# Altium PCB 控制盒基板.PcbDoc (part 6 of 8)
Units mil, origin at the board's own origin, x right, y up, seen from the top; angles counter-clockwise.
Board outline 12046.02 x 6189.14 mil, 4 copper layers (Top Layer, SGND, POWER, Bottom Layer); 368 components, 219 nets, 1110 pads, 351 vias.
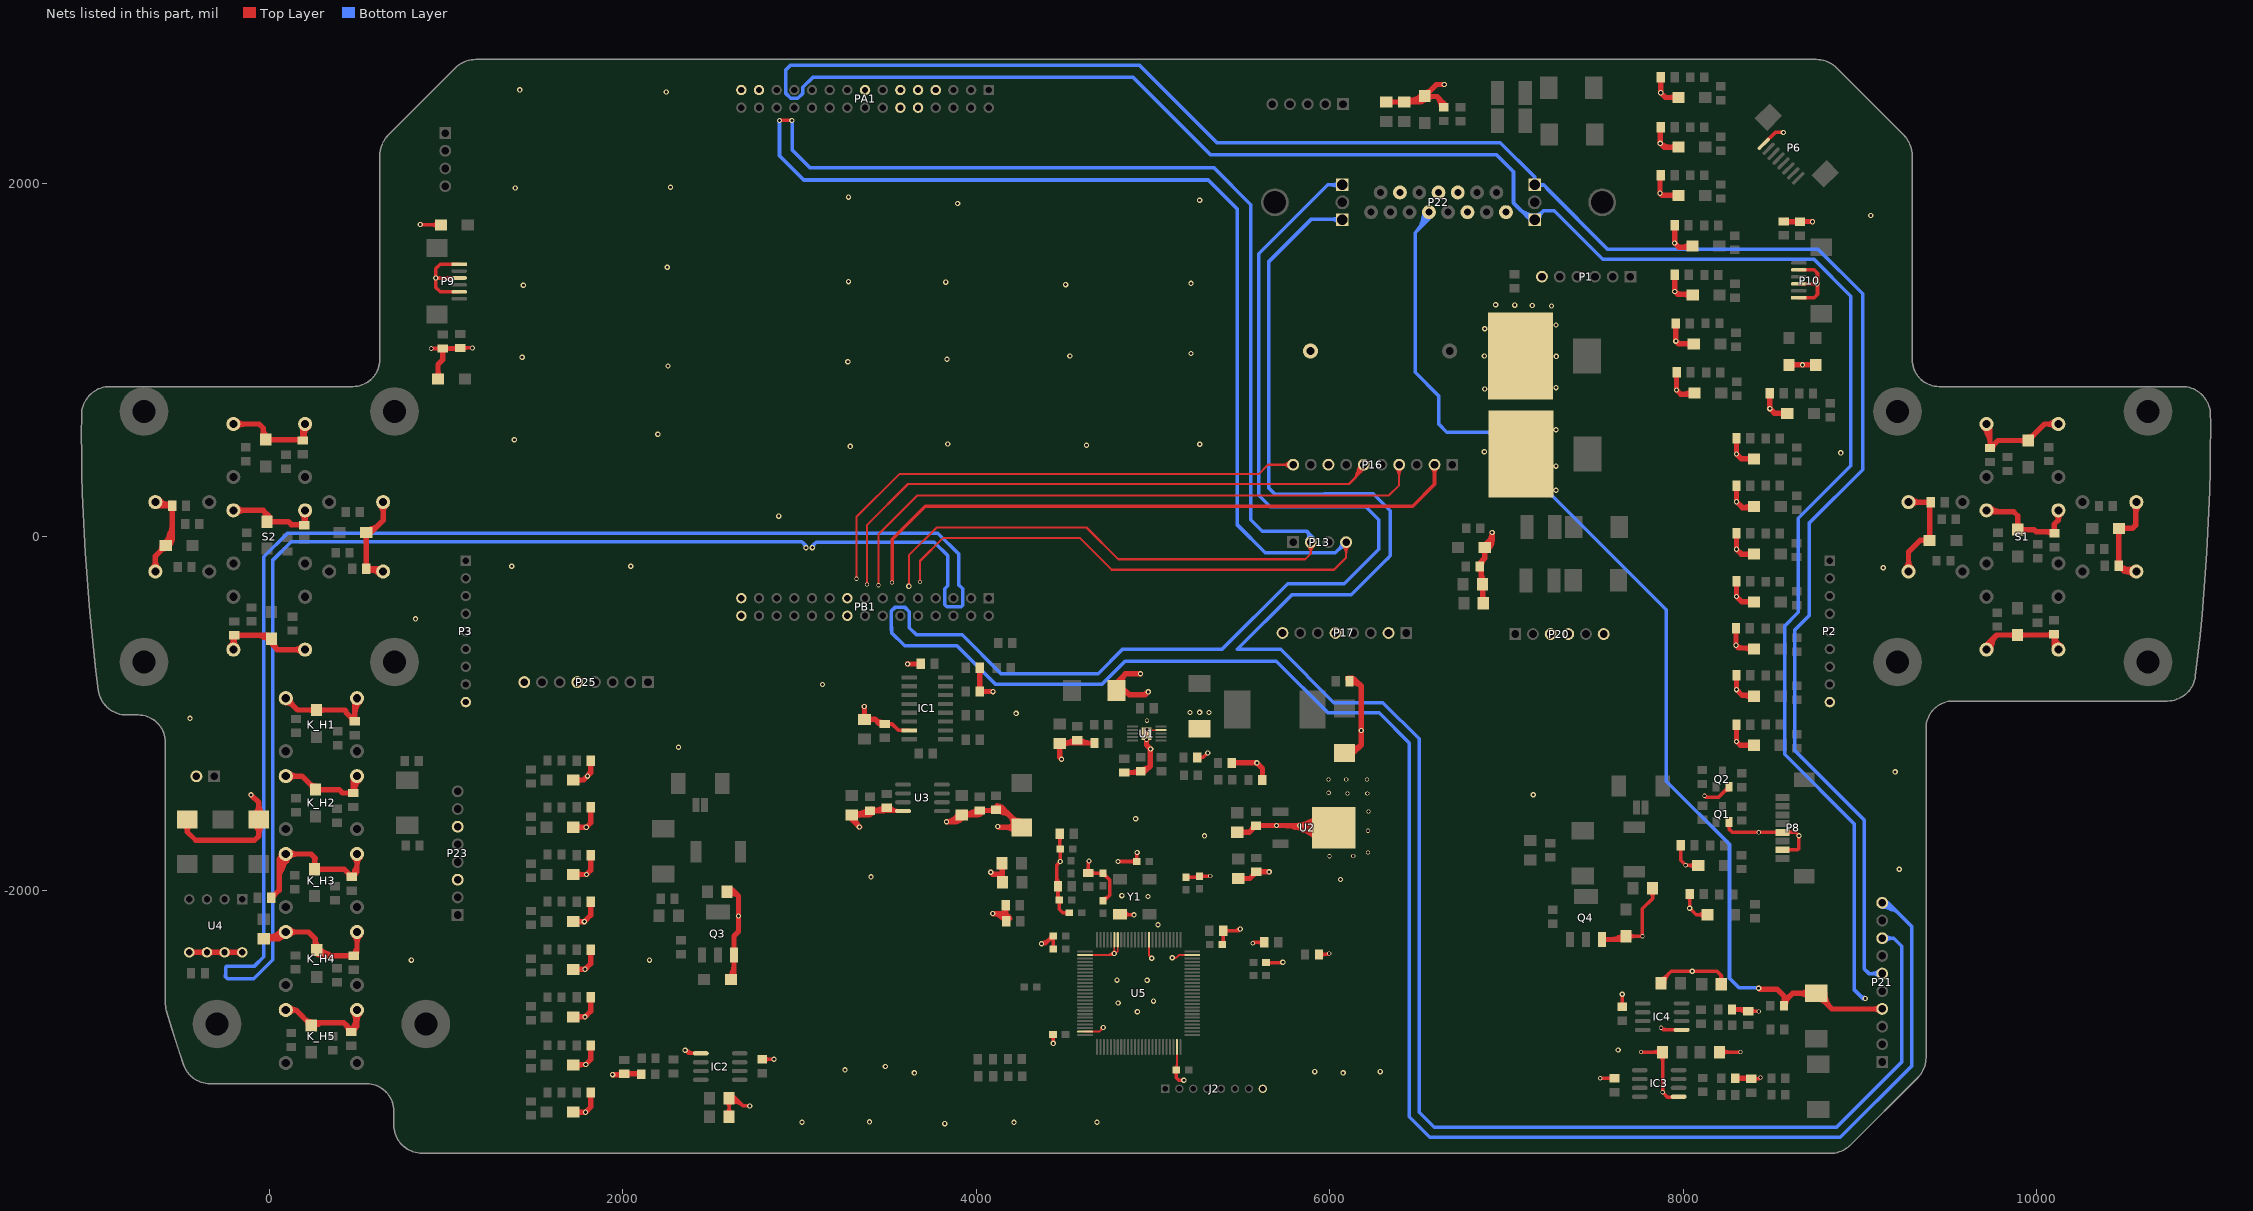
[diagram p8: the nets of this part, all layers, seen from the top]

## Via types
v1: diameter 30, hole 16, Top Layer to Bottom Layer, tented both sides, 209 vias
v2: diameter 24, hole 16, Top Layer to Bottom Layer, tented both sides, 75 vias
v3: diameter 30, hole 18, Top Layer to Bottom Layer, tented both sides, 57 vias
v4: diameter 28, hole 18, Top Layer to Bottom Layer, tented both sides, 10 vias

## Nets (pads, with @x,y where several pads share a name; then routed paths per layer and width w, separated by ;. In a path a pad name is that pad's centre, name@x,y a point inside that pad or via, vN(x,y) a via of type N, cw(c..) or ccw(c..) an arc to the next point about the centre after c; other vN are vias at no path point) (continued)
RS485-B4: D64.1 P21.4 P22.12 R120.1 | length 7792.9
  Top Layer w30: v1(8427,-2554) 8432,-2559 8531,-2559 8570.37,-2598.37 R120.1@8570.37,-2630.63 ; R120.1@8566.06,-2641.6 ccw(c8541.43,-2598.95) 8589.01,-2611.69 ; R120.1@8570.37,-2653 R120.1@8570.37,-2630.63 ; D64.1@8765.37,-2587.02 cw(c8738.35,-2662.97) 8816.39,-2642.75 ; D64.1@8800.99,-2583.33 ccw(c8913.91,-2584.26) 8834.06,-2664.11 ; D64.1@8800.99,-2583.05 ccw(c8916.86,-2583.05) 8834.93,-2664.97 ; P21.4@9126,-2671 8840.95,-2671 D64.1@8753,-2583.05 8617.95,-2583.05 R120.1@8570.37,-2630.63 ; 8656.62,-2583.05 ccw(c8656.62,-2500.45) 8715.03,-2558.85 cw(c8656.62,-2500.45) 8656.62,-2583.05 ; 8656.62,-2583.05 cw(c8656.62,-2665.64) 8715.03,-2607.24 ccw(c8656.62,-2665.64) 8656.62,-2583.05 ; 9081.42,-2671 ccw(c9081.42,-2626.42) 9112.94,-2657.94 cw(c9081.42,-2626.42) 9081.42,-2671 ; 9081.42,-2671 cw(c9081.42,-2715.58) 9112.94,-2684.06 ccw(c9081.42,-2715.58) 9081.42,-2671 ; R120.1@8578.99,-2649.06 cw(c8644.31,-2649.06) 8598.12,-2602.88 ccw(c8644.31,-2649.06) R120.1@8578.99,-2649.06 ; D64.1@8766.78,-2617.26 cw(c8766.78,-2666.59) 8801.66,-2631.71 ccw(c8766.78,-2666.59) D64.1@8766.78,-2617.26
  Bottom Layer w20: 6484,1721 ccw(c6368.7,1836.31) P22.12@6531.76,1836.69 ; 6503.31,1740.31 ccw(c6429.82,1813.81) P22.12@6532.2,1831.7 ; 6518.03,1755.03 ccw(c6436.6,1836.47) P22.12@6551.76,1836.73 ; 6529.08,1796.61 cw(c6600,1790.3) P22.12@6554.31,1844.91 ; 6530.53,1767.53 ccw(c6476.16,1821.9) P22.12@6551.9,1835.14 ; P22.12@6538.61,1817.91 cw(c6507.92,1792.24) 6547.77,1788.7 ; 6548.18,1793.3 cw(c6601.39,1788.57) P22.12@6567.14,1829.56 ; 6552.07,1789.06 ccw(c6504.51,1836.62) P22.12@6571.76,1836.78 ; 6557.75,1794.75 ccw(c6522.49,1830) P22.12@6571.61,1838.59 ; P22.12@6561.13,1836.76 6561.13,1798.13 6484,1721 6484,931 6616,799 6616,639 6663,592 6900,592 7905,-413 7905,-1383 8262,-1740 8262,-2497 8316,-2551 8424,-2551 v1(8427,-2554) ; 8407.69,-2551 cw(c8407.69,-2573.31) 8423.46,-2557.54 ccw(c8407.69,-2573.31) 8407.69,-2551
SGND: C1.1 C2.1 C3.1 C5.2 C6.1 C7.1 C8.2 C9.2 C10.1 C11.2 C12.1 C13.1 C14.1 C15.2 C16.1 C17.1 C18.1 C19.1 C20.2 C21.1 C22.1 C23.1 C24.1 C25.1 C26.1 C27.2 C28.2 C29.2 C30.2 C31.2 C32.2 C33.2 C34.2 C35.2 C36.2 C37.2 C38.2 C39.2 C40.2 C41.2 C42.2 C43.2 C44.2 C45.2 C46.2 C47.2 C48.2 C49.2 C50.2 C51.2 C52.2 C53.2 C54.2 C55.2 C56.2 C57.2 C58.2 C59.2 C60.2 C61.2 C62.2 C63.2 C64.2 C65.2 C66.2 C67.2 C68.2 C69.2 C70.2 C71.2 C72.2 C73.2 C74.2 C77.2 C78.1 C80.1 C81.1 C84.2 C87.1 C89.2 C90.2 C91.2 C92.1 C93.1 C94.2 C95.1 C96.2 C97.2 C98.2 C99.1 C100.2 C101.1 C102.2 C103.1 C104.2 C107.2 C109.2 C110.1 C111.2 C112.1 C113.1 C114.1 C115.1 C116.1 C117.1 C118.1 C119.1 C120.1 C121.1 D1.1 D2.1 D7.1 D8.1 D9.1 D10.1 D11.1 D12.1 D13.1 D14.1 D15.1 D16.1 D17.1 D18.1 D19.1 D20.1 D21.1 D22.1 D23.1 D24.1 D25.1 D26.1 D27.1 D28.1 D29.1 D30.1 D31.1 D32.1 D33.1 D34.1 D35.1 D36.1 D37.1 D38.1 D39.1 D40.1 D41.1 D42.1 D43.1 D44.1 D45.1 D46.1 D47.1 D48.1 D49.1 D50.1 D51.1 D52.1 D53.1 D57.1 D59.1 IC1.15 IC2.5 IC3.5 IC4.5 J2.8 K_H1.1 K_H2.1 K_H3.1 K_H4.1 K_H5.1 P1.6 P2.9 P3.9 P6.8 P8.2 P8.4 P9.1 P9.3 P9.5 P10.1 P10.3 P10.5 P12.2 P13.2 P13.4 P16.2 P16.4 P16.6 P16.8 P16.10 P17.2 P17.5 P17.8 P19.2 P20.3 P20.4 P20.6 P21.6 P21.8 P21.10 P22.3 P22.4 P22.6 P22.8 P22.10 P22.17 P22.19 P23.3 P23.6 P25.5 P25.8 PA1.7 PA1.9 PA1.10 PA1.11 PA1.12 PA1.15 PA1.27 PA1.29 PB1.17 PB1.18 PB1.29 PB1.30 Q1.2 Q2.2 Q3.3 Q4.3 R3.1 R4.1 R7.1 R11.2 R12.2 R98.1 R99.1 R104.2 R105.2 R106.2 R107.2 R110.2 R113.2 S1.1 S1.3 S1.5 S1.7 S1.9 S2.1 S2.3 S2.5 S2.7 S2.9 U1.9 U1.11 U2.2 U3.4 U4.5 U4.6 U4.7 U4.8 U5.10 U5.19 U5.20 U5.27 U5.49 U5.74 U5.99 Y1.2 | length 165941.7
  Top Layer w8: U1.11@4983.69,-1093.31 U1.9@5044.71,-1093.31
  Top Layer w10: U5.49@4615.85,-2799.53 4695.47,-2799.53 v1(4719,-2776) ; U5.27@4615.85,-2366.46 4780.54,-2366.46 v1@4781.2,-2365.8 ; v1@4709,-2776 cw(c4684.86,-2776) 4701.93,-2793.07 cw(c4719,-2810.14) v1@4719,-2786 ; 4755.19,-2361.87 cw(c4762.71,-2374.91) v1@4773.82,-2364.75 ; 4765.96,-2355.65 cw(c4772.12,-2366.31) v1(4781.2,-2358) ; U5.20@4781.2,-2279.85 v1@4781.2,-2365.8 ; v1@4785.36,-2348.91 ccw(c4791.11,-2336.33) 4800.89,-2346.11 ; U5.19@4800.89,-2279.85 4800.89,-2346.11 ; U5.10@4978.05,-2279.85 4978.05,-2369.05 ; v1@4983.05,-2383.02 ccw(c4965.8,-2381.31) 4978.06,-2369.06 ; v1@4992.02,-2374.05 cw(c4990.31,-2356.8) 4978.06,-2369.06 ; v1(4993,-2384) 4978.05,-2369.05 ; v1(5109,-2382) 5131,-2382 ; v1@5116.53,-2388.58 cw(c5131,-2401.2) 5131,-2382 ; v1@5116.53,-2375.42 ccw(c5131,-2362.8) 5131,-2382 ; C100.2@5131.57,-3017 5135.53,-3013.03 U5.74@5135.53,-2886.15 ; U5.99@5222.15,-2366.46 5146.54,-2366.46 5131,-2382 ; v1@4774.13,-2350.93 ccw(c4757.06,-2333.86) 4781.2,-2333.86 ; v1@4774.13,-2350.93 cw(c4736.63,-2313.42) 4736.63,-2366.46 ccw(c4736.63,-2313.42) v1@4774.13,-2350.93 ; v1@4774.13,-2350.93 ccw(c4757.06,-2333.86) 4781.2,-2333.86 ; v1@4781.2,-2365.8 4800.89,-2346.11 ; v1(4781.2,-2358) cw(c4760.77,-2337.57) 4760.77,-2366.46 ccw(c4760.77,-2337.57) v1(4781.2,-2358) ; 4781.2,-2333.86 ccw(c4805.35,-2333.86) 4788.28,-2350.93 cw(c4805.35,-2333.86) 4781.2,-2333.86 ; C100.2@5123.15,-3006.62 ccw(c5093.26,-2976.72) 5135.53,-2976.72 cw(c5093.26,-2976.72) C100.2@5123.15,-3006.62 ; 5135.53,-2986.37 ccw(c5164.16,-2986.37) 5143.92,-3006.62 cw(c5164.16,-2986.37) 5135.53,-2986.37
  Top Layer w12: v2(3323,-237) 3322,-236 3322,112 3565,355 5598,355 5651,408 P16.10@5793,408 ; v2(3382,-270) 3383,-269 3383,68 3614,299 6109,299 6193,383 P16.6@6193,408 ; v2@3448,-275 v2(3447,-274) 3447,14 3667,234 6335,234 6393,292 P16.4@6393,408 ; v3(3619,-280) 3619,-105 3777,53 4624,53 4804,-127 5861,-127 5892.87,-95.13 ; v2(3682,-256) 3682,-137 3813,-6 4586,-6 4766,-186 6024,-186 6092.87,-117.13 P13.4@6092.87,-30 ; P13.2@5892.87,-30 5892.87,-95.13 ; 6150.32,351.22 cw(c6231.37,329.5) P16.6@6194.52,404.89 ; 6157.15,376.68 cw(c6216.02,360.91) P16.6@6189.25,415.67 ; 6163.65,356.16 cw(c6216.23,342.07) P16.6@6198.14,393.41 ; P16.6@6169.22,394.27 cw(c6155.96,386.61) 6170.74,382.65 ; 6169.54,378.15 cw(c6207.06,368.09) P16.6@6194.15,404.73 ; P16.6@6173.39,388.78 cw(c6157.94,373.64) 6178.83,368.04 cw(c6195.18,363.66) P16.6@6194.35,380.57 ; 3447,-259.51 ccw(c3461.49,-259.51) 3451.24,-269.76 cw(c3461.49,-259.51) 3447,-259.51 ; 3447,-259.51 cw(c3432.51,-259.51) 3442.76,-269.76 ccw(c3432.51,-259.51) 3447,-259.51 ; 3619,-258.27 ccw(c3640.73,-258.27) 3625.36,-273.64 cw(c3640.73,-258.27) 3619,-258.27 ; 3619,-258.27 cw(c3597.27,-258.27) 3612.64,-273.64 ccw(c3597.27,-258.27) 3619,-258.27 ; 3682,-241.51 ccw(c3696.49,-241.51) 3686.24,-251.76 cw(c3696.49,-241.51) 3682,-241.51 ; 3682,-241.51 cw(c3667.51,-241.51) 3677.76,-251.76 ccw(c3667.51,-241.51) 3682,-241.51 ; 5726.7,408 ccw(c5726.7,474.3) 5773.58,427.42 cw(c5726.7,474.3) 5726.7,408 ; 5726.7,408 cw(c5726.7,341.69) 5773.58,388.58 ccw(c5726.7,341.69) 5726.7,408 ; 5755.67,408 ccw(c5755.67,445.33) 5782.07,418.93 cw(c5755.67,445.33) 5755.67,408 ; 5755.67,408 cw(c5755.67,370.67) 5782.07,397.06 ccw(c5755.67,370.67) 5755.67,408 ; 5892.87,-95.12 ccw(c5829.39,-95.12) 5873.7,-49.67 cw(c5829.39,-95.12) 5892.87,-95.12 ; 5892.87,-95.12 cw(c5956.35,-95.12) 5912.04,-49.67 ccw(c5956.35,-95.12) 5892.87,-95.12 ; 5892.87,-66.67 ccw(c5857.13,-66.67) 5882.08,-41.07 cw(c5857.13,-66.67) 5892.87,-66.67 ; 5892.87,-66.67 cw(c5928.61,-66.67) 5903.67,-41.07 ccw(c5928.61,-66.67) 5892.87,-66.67 ; 6092.87,-96.31 ccw(c6026.57,-96.31) 6073.45,-49.42 cw(c6026.57,-96.31) 6092.87,-96.31 ; 6092.87,-96.31 cw(c6159.18,-96.31) 6112.29,-49.42 ccw(c6159.18,-96.31) 6092.87,-96.31 ; 6092.87,-67.33 ccw(c6055.54,-67.33) 6081.94,-40.94 cw(c6055.54,-67.33) 6092.87,-67.33 ; 6092.87,-67.33 cw(c6130.21,-67.33) 6103.81,-40.94 ccw(c6130.21,-67.33) 6092.87,-67.33 ; 6393,341.69 ccw(c6326.7,341.69) 6373.58,388.58 cw(c6326.7,341.69) 6393,341.69 ; 6393,341.69 cw(c6459.31,341.69) 6412.42,388.58 ccw(c6459.31,341.69) 6393,341.69 ; 6393,370.67 ccw(c6355.67,370.67) 6382.07,397.06 cw(c6355.67,370.67) 6393,370.67 ; 6393,370.67 cw(c6430.34,370.67) 6403.94,397.06 ccw(c6430.34,370.67) 6393,370.67 ; v2@3318.76,-232.76 ccw(c3310.93,-224.93) 3322,-224.93 cw(c3310.93,-224.93) v2@3318.76,-232.76 ; 3322,-220.1 ccw(c3339.9,-220.1) 3327.24,-232.76 cw(c3339.9,-220.1) 3322,-220.1 ; v2@3377.76,-265.76 ccw(c3365.1,-253.1) 3383,-253.1 cw(c3365.1,-253.1) v2@3377.76,-265.76 ; 3383,-257.93 ccw(c3394.07,-257.93) 3386.24,-265.76 cw(c3394.07,-257.93) 3383,-257.93 ; 6128.44,318.44 ccw(c6038.88,408) 6165.54,408 cw(c6038.88,408) 6128.44,318.44 ; 6148.92,338.92 ccw(c6079.85,408) 6177.54,408 cw(c6079.85,408) 6148.92,338.92 ; 6169.41,359.41 ccw(c6120.82,408) 6189.54,408 cw(c6120.82,408) 6169.41,359.41
  Top Layer w20: v1(854,1767) 856,1765 D53.1@971.21,1765 ; v4(916.63,1065.63) C70.2@981,1065.63 ; v1(942.5,1464.5) P9.3@1074.99,1464.5 ; P9.5@1074.99,1385.76 967.24,1385.76 942,1411 942,1518 967.24,1543.24 P9.1@1074.99,1543.24 ; C68.2@1080,1068.63 1148.63,1068.63 v4(1149,1069) ; v1(2353,-2905) 2370.29,-2922.29 IC2.5@2442,-2922.29 ; v1@2354.29,-2909.83 cw(c2361.69,-2937.42) 2375.97,-2912.68 ; C119.1@2596.8,-3163.22 cw(c2607.82,-3199.68) 2634.75,-3172.75 ; C116.1@2601.16,-3282 2602.16,-3281 C119.1@2602.16,-3177 2639,-3177 ; C119.1@2601.17,-3162.46 cw(c2603.82,-3212.06) 2638.94,-3176.94 ; C119.1@2602.24,-3182.43 cw(c2607.03,-3272.3) 2670.66,-3208.66 ; C119.1@2602.59,-3182.37 cw(c2618.78,-3235.96) 2658.37,-3196.37 ; C119.1@2603.18,-3182.03 cw(c2623.59,-3203.91) 2644.75,-3182.75 ; C119.1@2608.37,-3201.51 cw(c2629.75,-3272.25) 2682,-3220 ; C119.1@2613.88,-3198.95 cw(c2639.49,-3238.32) 2649.22,-3192.37 ; C119.1@2616.82,-3196.65 cw(c2637.73,-3219.05) 2659.39,-3197.39 ; C119.1@2620.97,-3170.53 ccw(c2660.31,-3148.76) 2651,-3192.75 ; v1(2719,-3220) 2682,-3220 ; R104.2@2790.04,-2955.63 2855.63,-2955.63 v1(2856,-2956) ; v1(2887,2356) v1(2957,2356) ; C110.1@3483,-1058.63 3523.63,-1058.63 3560,-1095 IC1.15@3621.64,-1095 ; C12.1@3492.96,-1551.71 U3.4@3564,-1551.71 ; C12.1@3507.03,-1544.27 cw(c3520.97,-1562.88) 3535.05,-1544.38 ; v2(3524,-259) 3524,-13 3711,174 6470,174 6593,297 P16.2@6593,408 ; 3542.5,-1545.95 cw(c3538.74,-1559.96) U3.4@3551.31,-1552.71 ; v1(4369,-2302) 4393.57,-2302 C97.2@4435.57,-2260 ; v1@4373.33,-2304.5 cw(c4398.06,-2318.78) 4390.67,-2291.19 ; 4402.83,-2285.7 ccw(c4378.78,-2244.04) C97.2@4425.24,-2256.49 ; C102.2@4434.66,-2816 4434.66,-2864.66 v1(4436,-2866) ; C104.2@4435.57,-2332 C97.2@4435.57,-2260 ; C97.2@4436.57,-2259 C97.2@4435.57,-2260 ; C99.1@4456,-1983.63 4456,-1857 v1(4475.57,-1837.43) C92.1@4475.57,-1766 4473.63,-1764.06 C95.1@4473.63,-1680 ; C99.1@4462.63,-1977 4462.63,-2052.06 C101.1@4470,-2059.43 ; C101.1@4470,-2055 C101.1@4470,-2059.43 ; C103.1@4526.57,-2127 4489,-2127 4470,-2108 C101.1@4470,-2059.43 ; v1(4638,-1834) 4633,-1839 C90.2@4633,-1901.63 4634.94,-1903.57 C91.2@4717,-1903.57 4754.69,-1941.25 4754.69,-2027.88 C94.2@4715,-2067.57 ; v1@4800.57,-1836 4800.57,-1837 C93.1@4909.13,-1837 4909.13,-1786 v1(4910.57,-1786) ; v1(4893,-2139) Y1.2@4817.9,-2139 ; U1.11@4964,-1125 U1.11@4964,-1113 ; C100.2@5131.57,-3017 5131.57,-3060.57 5146,-3075 v1(5175,-3075) ; R99.1@5188,-1925.47 5258.09,-1925.47 C89.2@5264,-1919.57 v2(5324.57,-1919.57) v2@5325,-1920 ; R7.1@5251.37,-1248 5285,-1248 v1(5310,-1223) ; C98.2@5392.43,-2306 5397.37,-2301.06 C96.2@5397.37,-2228 5485,-2228 v1(5494,-2219) ; 5473.69,-2225.15 cw(c5484.51,-2243.88) v1@5492.22,-2223.67 ; v2(5565,-2299) 5569,-2295 C71.2@5630.63,-2295 ; R98.1@5639.43,-2409 5733,-2409 v1(5735,-2407) ; C73.2@5939.37,-2363 5992,-2363 v2(5997,-2358) ; v2@7530,-3063 v2(7530.63,-3063.63) R105.2@7612,-3063.63 ; v1@7654,-2587 v1(7655,-2588) R106.2@7655,-2658.63 ; D59.1@7676,-2259.79 v2(7769.21,-2259.79) 7769.21,-2103.79 7827.12,-2045.88 C87.1@7827.12,-1987 ; v2@7759,-2917 v2(7761,-2915) C117.1@7883.88,-2915 v2(7883.88,-3142.88) 7911,-3170 7971.75,-3170 IC3.5@7974.04,-3167.71 ; C118.1@7863.88,-2526 7931.88,-2458 8191.12,-2458 8215.12,-2482 ; C118.1@7874.43,-2520.64 ccw(c7860.27,-2476.04) 7905.47,-2488.15 ; v2(7875,-2778) 7886.71,-2789.71 IC4.5@7991.04,-2789.71 ; C65.2@7985.63,-1744 7985.63,-1829.63 v2(8014,-1858) 8083.68,-1858 D48.1@8085.68,-1860 ; C63.2@8036.63,-2021 v1(8036.63,-2101.63) 8073,-2138 D46.1@8136.68,-2138 ; v2(8120,-1465) 8129,-1474 8199.71,-1474 Q2.2@8259.4,-1414.31 ; C120.1@8206.12,-2915 v2(8324,-2915) ; C121.1@8215.12,-2531 8215.12,-2482 ; Q1.2@8259.4,-1613.31 8259.4,-1653.4 8278,-1672 v2(8428,-1672) P8.4@8562.97,-1672 8636,-1672 v1(8655,-1691) 8655,-1764 8648,-1771 8563.55,-1771 P8.2@8562.97,-1770.42 ; C115.1@8369,-2683.63 8425.63,-2683.63 v2(8428,-2686) ; C114.1@8385,-3066.63 8430.37,-3066.63 v2(8438,-3059) ; P6.8@8455.65,2223.37 8520.28,2288 v1(8567,2288) ; P10.1@8654.01,1352.76 8740.76,1352.76 8760,1372 v3@8760,1434 ; P10.3@8654.01,1431.5 v3(8757.5,1431.5) v3@8760,1434 ; P10.5@8654.01,1510.24 8741.76,1510.24 8760,1492 v3@8760,1434 ; 916.36,1765 ccw(c916.36,1816.9) 953.06,1780.2 cw(c916.36,1816.9) 916.36,1765 ; 916.36,1765 cw(c916.36,1713.1) 953.06,1749.8 ccw(c916.36,1713.1) 916.36,1765 ; 942.21,1065.63 ccw(c942.21,1098.52) 965.46,1075.26 cw(c942.21,1098.52) 942.21,1065.63 ; 942.21,1065.63 cw(c942.21,1032.74) 965.46,1056 ccw(c942.21,1032.74) 942.21,1065.63 ; 1118.79,1068.63 ccw(c1118.79,1035.74) 1095.54,1059 cw(c1118.79,1035.74) 1118.79,1068.63 ; 1118.79,1068.63 cw(c1118.79,1101.52) 1095.54,1078.26 ccw(c1118.79,1101.52) 1118.79,1068.63 ; 2602.16,-3232.83 ccw(c2550.26,-3232.83) 2586.96,-3196.14 cw(c2550.26,-3232.83) 2602.16,-3232.83 ; 2602.16,-3232.83 cw(c2654.05,-3232.83) 2617.36,-3196.14 ccw(c2654.05,-3232.83) 2602.16,-3232.83 ; 2639,-3177 ccw(c2639,-3197.82) 2620.87,-3187.58 cw(c2639,-3197.82) 2639,-3177 ; 2639,-3177 cw(c2639,-3156.18) 2620.87,-3166.42 ccw(c2639,-3156.18) 2639,-3177 ; 2639,-3177 2682,-3220 ; 2826.86,-2955.63 ccw(c2826.86,-2988.52) 2803.61,-2965.26 cw(c2826.86,-2988.52) 2826.86,-2955.63 ; 2826.86,-2955.63 cw(c2826.86,-2922.74) 2803.61,-2946 ccw(c2826.86,-2922.74) 2826.86,-2955.63 ; 3521.79,-1058.63 ccw(c3521.79,-1091.52) 3498.54,-1068.26 cw(c3521.79,-1091.52) 3521.79,-1058.63 ; 3521.79,-1058.63 cw(c3521.79,-1025.74) 3498.54,-1049 ccw(c3521.79,-1025.74) 3521.79,-1058.63 ; U3.4@3564,-1551.71 cw(c3564,-1482.98) 3509.64,-1525.04 ccw(c3564,-1482.98) U3.4@3564,-1551.71 ; 4434.66,-2839.38 ccw(c4411.28,-2839.38) 4427.81,-2822.85 cw(c4411.28,-2839.38) 4434.66,-2839.38 ; 4434.66,-2839.38 cw(c4458.04,-2839.38) 4441.51,-2822.85 ccw(c4458.04,-2839.38) 4434.66,-2839.38 ; 4435.57,-2308.62 ccw(c4458.95,-2308.62) 4442.41,-2325.15 cw(c4458.95,-2308.62) 4435.57,-2308.62 ; 4435.57,-2308.62 cw(c4412.18,-2308.62) 4428.72,-2325.15 ccw(c4412.18,-2308.62) 4435.57,-2308.62 ; 4462.63,-2015.79 ccw(c4429.74,-2015.79) 4453,-1992.54 cw(c4429.74,-2015.79) 4462.63,-2015.79 ; 4462.63,-2015.79 cw(c4495.51,-2015.79) 4472.26,-1992.54 ccw(c4495.51,-2015.79) 4462.63,-2015.79 ; 4470,-2078.38 ccw(c4446.62,-2078.38) 4463.15,-2061.85 cw(c4446.62,-2078.38) 4470,-2078.38 ; 4470,-2078.38 cw(c4493.38,-2078.38) 4476.85,-2061.85 ccw(c4493.38,-2078.38) 4470,-2078.38 ; 4473.63,-1718.79 ccw(c4440.74,-1718.79) 4464,-1695.54 cw(c4440.74,-1718.79) 4473.63,-1718.79 ; 4473.63,-1718.79 cw(c4506.51,-1718.79) 4483.26,-1695.54 ccw(c4506.51,-1718.79) 4473.63,-1718.79 ; 4475.57,-1789.38 ccw(c4452.18,-1789.38) 4468.72,-1772.85 cw(c4452.18,-1789.38) 4475.57,-1789.38 ; 4475.57,-1789.38 cw(c4498.95,-1789.38) 4482.41,-1772.85 ccw(c4498.95,-1789.38) 4475.57,-1789.38 ; 4501.22,-2127 ccw(c4501.22,-2103.62) 4517.75,-2120.15 cw(c4501.22,-2103.62) 4501.22,-2127 ; 4501.22,-2127 cw(c4501.22,-2150.38) 4517.75,-2133.85 ccw(c4501.22,-2150.38) 4501.22,-2127 ; 4633,-1868.74 ccw(c4665.89,-1868.74) 4642.63,-1892 cw(c4665.89,-1868.74) 4633,-1868.74 ; 4633,-1868.74 cw(c4600.11,-1868.74) 4623.37,-1892 ccw(c4600.11,-1868.74) 4633,-1868.74 ; 4693.62,-1903.57 ccw(c4693.62,-1880.19) 4710.15,-1896.72 cw(c4693.62,-1880.19) 4693.62,-1903.57 ; 4693.62,-1903.57 cw(c4693.62,-1926.95) 4710.15,-1910.42 ccw(c4693.62,-1926.95) 4693.62,-1903.57 ; Y1.2@4817.9,-2139 cw(c4817.9,-2135.42) Y1.2@4814.32,-2135.42 ccw(c4817.9,-2135.42) Y1.2@4817.9,-2139 ; 4883.78,-1837 ccw(c4883.78,-1813.62) 4900.32,-1830.15 cw(c4883.78,-1813.62) 4883.78,-1837 ; 4883.78,-1837 cw(c4883.78,-1860.38) 4900.32,-1843.85 ccw(c4883.78,-1860.38) 4883.78,-1837 ; 4909.13,-1813.62 ccw(c4932.52,-1813.62) 4915.98,-1830.15 cw(c4932.52,-1813.62) 4909.13,-1813.62 ; 4909.13,-1813.62 cw(c4885.75,-1813.62) 4902.29,-1830.15 ccw(c4885.75,-1813.62) 4909.13,-1813.62 ; 5131.57,-3040.38 ccw(c5108.19,-3040.38) 5124.72,-3023.85 cw(c5108.19,-3040.38) 5131.57,-3040.38 ; 5131.57,-3040.38 cw(c5154.95,-3040.38) 5138.42,-3023.85 ccw(c5154.95,-3040.38) 5131.57,-3040.38 ; 5211.38,-1925.47 ccw(c5211.38,-1948.85) 5194.85,-1932.32 cw(c5211.38,-1948.85) 5211.38,-1925.47 ; 5211.38,-1925.47 cw(c5211.38,-1902.09) 5194.85,-1918.62 ccw(c5211.38,-1902.09) 5211.38,-1925.47 ; 5284.26,-1248 ccw(c5284.26,-1280.89) 5261,-1257.63 cw(c5284.26,-1280.89) 5284.26,-1248 ; 5284.26,-1248 cw(c5284.26,-1215.11) 5261,-1238.37 ccw(c5284.26,-1215.11) 5284.26,-1248 ; 5287.38,-1919.57 ccw(c5287.38,-1942.95) 5270.85,-1926.42 cw(c5287.38,-1942.95) 5287.38,-1919.57 ; 5287.38,-1919.57 cw(c5287.38,-1896.19) 5270.85,-1912.72 ccw(c5287.38,-1896.19) 5287.38,-1919.57 ; 5397.37,-2266.79 ccw(c5364.48,-2266.79) 5387.74,-2243.54 cw(c5364.48,-2266.79) 5397.37,-2266.79 ; 5397.37,-2266.79 cw(c5430.26,-2266.79) 5407,-2243.54 ccw(c5430.26,-2266.79) 5397.37,-2266.79 ; 5430.26,-2228 ccw(c5430.26,-2260.89) 5407,-2237.63 cw(c5430.26,-2260.89) 5430.26,-2228 ; 5430.26,-2228 cw(c5430.26,-2195.11) 5407,-2218.37 ccw(c5430.26,-2195.11) 5430.26,-2228 ; 5597.74,-2295 ccw(c5597.74,-2262.11) 5621,-2285.37 cw(c5597.74,-2262.11) 5597.74,-2295 ; 5597.74,-2295 cw(c5597.74,-2327.89) 5621,-2304.63 ccw(c5597.74,-2327.89) 5597.74,-2295 ; 5664.78,-2409 ccw(c5664.78,-2432.38) 5648.25,-2415.85 cw(c5664.78,-2432.38) 5664.78,-2409 ; 5664.78,-2409 cw(c5664.78,-2385.62) 5648.25,-2402.15 ccw(c5664.78,-2385.62) 5664.78,-2409 ; 5972.26,-2363 ccw(c5972.26,-2395.89) 5949,-2372.63 cw(c5972.26,-2395.89) 5972.26,-2363 ; 5972.26,-2363 cw(c5972.26,-2330.11) 5949,-2353.37 ccw(c5972.26,-2330.11) 5972.26,-2363 ; 6593,351.35 ccw(c6536.35,351.35) 6576.41,391.41 cw(c6536.35,351.35) 6593,351.35 ; 6593,351.35 cw(c6649.65,351.35) 6609.59,391.41 ccw(c6649.65,351.35) 6593,351.35 ; 7575.18,-3063.63 ccw(c7575.18,-3030.74) 7598.43,-3054 cw(c7575.18,-3030.74) 7575.18,-3063.63 ; 7575.18,-3063.63 cw(c7575.18,-3096.52) 7598.43,-3073.26 ccw(c7575.18,-3096.52) 7575.18,-3063.63 ; 7655,-2625.74 ccw(c7687.89,-2625.74) 7664.63,-2649 cw(c7687.89,-2625.74) 7655,-2625.74 ; 7655,-2625.74 cw(c7622.11,-2625.74) 7645.37,-2649 ccw(c7622.11,-2625.74) 7655,-2625.74 ; 7727.9,-2259.79 ccw(c7727.9,-2311.68) 7691.2,-2274.99 cw(c7727.9,-2311.68) 7727.9,-2259.79 ; 7727.9,-2259.79 cw(c7727.9,-2207.89) 7691.2,-2244.59 ccw(c7727.9,-2207.89) 7727.9,-2259.79 ; 7827.12,-2042.83 ccw(c7775.22,-2042.83) 7811.92,-2006.14 cw(c7775.22,-2042.83) 7827.12,-2042.83 ; 7827.12,-2042.83 cw(c7879.01,-2042.83) 7842.32,-2006.14 ccw(c7879.01,-2042.83) 7827.12,-2042.83 ; 7831.99,-2915 ccw(c7831.99,-2863.1) 7868.68,-2899.8 cw(c7831.99,-2863.1) 7831.99,-2915 ; 7831.99,-2915 cw(c7831.99,-2966.9) 7868.68,-2930.2 ccw(c7831.99,-2966.9) 7831.99,-2915 ; 7883.88,-2970.83 ccw(c7831.99,-2970.83) 7868.68,-2934.14 cw(c7831.99,-2970.83) 7883.88,-2970.83 ; 7883.88,-2970.83 cw(c7935.78,-2970.83) 7899.08,-2934.14 ccw(c7935.78,-2970.83) 7883.88,-2970.83 ; 7985.63,-1782.79 ccw(c7952.74,-1782.79) 7976,-1759.54 cw(c7952.74,-1782.79) 7985.63,-1782.79 ; 7985.63,-1782.79 cw(c8018.51,-1782.79) 7995.26,-1759.54 ccw(c8018.51,-1782.79) 7985.63,-1782.79 ; 8036.63,-2059.79 ccw(c8003.74,-2059.79) 8027,-2036.54 cw(c8003.74,-2059.79) 8036.63,-2059.79 ; 8036.63,-2059.79 cw(c8069.51,-2059.79) 8046.26,-2036.54 ccw(c8069.51,-2059.79) 8036.63,-2059.79 ; 8081.84,-2138 ccw(c8081.84,-2086.11) 8118.53,-2122.8 cw(c8081.84,-2086.11) 8081.84,-2138 ; 8081.83,-2138 cw(c8081.83,-2189.9) 8118.53,-2153.2 ccw(c8081.83,-2189.9) 8081.83,-2138 ; 8215.12,-2482 ccw(c8251.6,-2482) 8228.64,-2510.36 cw(c8251.6,-2482) 8215.12,-2482 ; 8215.12,-2482 cw(c8178.64,-2482) 8201.59,-2510.36 ccw(c8178.64,-2482) 8215.12,-2482 ; 8258.01,-2915 ccw(c8258.01,-2966.9) 8221.32,-2930.2 cw(c8258.01,-2966.9) 8258.01,-2915 ; 8258.01,-2915 cw(c8258.01,-2863.1) 8221.32,-2899.8 ccw(c8258.01,-2863.1) 8258.01,-2915 ; 8259.4,-1644.56 ccw(c8236.02,-1644.56) 8252.55,-1628.03 cw(c8236.02,-1644.56) 8259.4,-1644.56 ; 8259.4,-1644.56 cw(c8282.78,-1644.56) 8266.25,-1628.03 ccw(c8282.78,-1644.56) 8259.4,-1644.56 ; 8407.79,-2683.63 ccw(c8407.79,-2716.52) 8384.54,-2693.26 cw(c8407.79,-2716.52) 8407.79,-2683.63 ; 8407.79,-2683.63 cw(c8407.79,-2650.74) 8384.54,-2674 ccw(c8407.79,-2650.74) 8407.79,-2683.63 ; 8423.79,-3066.63 ccw(c8423.79,-3099.52) 8400.54,-3076.26 cw(c8423.79,-3099.52) 8423.79,-3066.63 ; 8423.79,-3066.63 cw(c8423.79,-3033.74) 8400.54,-3057 ccw(c8423.79,-3033.74) 8423.79,-3066.63 ; 8519.91,-1672 ccw(c8519.91,-1648.62) 8536.44,-1665.16 cw(c8519.91,-1648.62) 8519.91,-1672 ; 8519.91,-1672 cw(c8519.91,-1695.39) 8536.44,-1678.85 ccw(c8519.91,-1695.39) 8519.91,-1672 ; 8606.04,-1672 ccw(c8606.04,-1695.39) 8589.51,-1678.85 cw(c8606.04,-1695.39) 8606.04,-1672 ; 8606.04,-1672 cw(c8606.04,-1648.62) 8589.51,-1665.16 ccw(c8606.04,-1648.62) 8606.04,-1672 ; v1@857.54,1770.54 ccw(c870.9,1783.9) 870.9,1765 cw(c870.9,1783.9) v1@857.54,1770.54 ; v1@2356.54,-2901.46 ccw(c2406.81,-2851.19) 2406.81,-2922.29 cw(c2406.81,-2851.19) v1@2356.54,-2901.46 ; C116.1@2585.96,-3262.86 ccw(c2546.85,-3223.75) 2602.16,-3223.75 cw(c2546.85,-3223.75) C116.1@2585.96,-3262.86 ; 2602.16,-3228.58 ccw(c2650.64,-3228.58) 2616.36,-3262.86 cw(c2650.64,-3228.58) 2602.16,-3228.58 ; C12.1@3493.82,-1537.27 ccw(c3523.24,-1514.51) 3523.24,-1551.71 cw(c3523.24,-1514.51) C12.1@3493.82,-1537.27 ; v1@4369,-2297 ccw(c4369,-2225.62) 4419.47,-2276.09 cw(c4369,-2225.62) v1@4369,-2297 ; 4416.67,-2278.89 ccw(c4396.78,-2259) 4424.91,-2259 cw(c4396.78,-2259) 4416.67,-2278.89 ; C97.2@4421.43,-2274.14 cw(c4434.6,-2287.31) 4434.6,-2268.68 ccw(c4434.6,-2287.31) C97.2@4421.43,-2274.14 ; C97.2@4427.75,-2265.85 cw(c4408.88,-2284.72) 4435.57,-2284.72 ccw(c4408.88,-2284.72) C97.2@4427.75,-2265.85 ; 4434.66,-2850.7 ccw(c4451.3,-2850.7) 4439.54,-2862.46 cw(c4451.3,-2850.7) 4434.66,-2850.7 ; 4435.57,-2280.04 cw(c4455.64,-2280.04) 4441.45,-2265.85 ccw(c4455.64,-2280.04) 4435.57,-2280.04 ; 4456,-1922.21 ccw(c4511.52,-1922.21) 4472.26,-1961.46 cw(c4511.52,-1922.21) 4456,-1922.21 ; 4462.63,-2018.58 ccw(c4504.45,-2018.58) 4474.88,-2048.15 cw(c4504.45,-2018.58) 4462.63,-2018.58 ; C92.1@4466.75,-1759.15 ccw(c4450.14,-1742.54) 4473.63,-1742.54 cw(c4450.14,-1742.54) C92.1@4466.75,-1759.15 ; 4473.63,-1742.69 ccw(c4496.91,-1742.69) 4480.45,-1759.15 cw(c4496.91,-1742.69) 4473.63,-1742.69 ; 4633,-1858.14 cw(c4662.14,-1858.14) 4641.54,-1837.54 ccw(c4662.14,-1858.14) 4633,-1858.14 ; C90.2@4648.54,-1911.26 cw(c4667.12,-1929.84) 4667.12,-1903.57 ccw(c4667.12,-1929.84) C90.2@4648.54,-1911.26 ; C90.2@4648.54,-1892 ccw(c4676.47,-1864.07) 4676.47,-1903.57 cw(c4676.47,-1864.07) C90.2@4648.54,-1892 ; C94.2@4717,-2046.91 ccw(c4717,-2001.88) 4748.84,-2033.72 cw(c4717,-2001.88) C94.2@4717,-2046.91 ; C91.2@4717,-1915.22 cw(c4717,-1943.35) 4736.89,-1923.46 ccw(c4717,-1943.35) C91.2@4717,-1915.22 ; C91.2@4726.69,-1905.54 ccw(c4745.32,-1905.54) 4732.14,-1918.71 cw(c4745.32,-1905.54) C91.2@4726.69,-1905.54 ; Y1.2@4837.97,-2149.23 cw(c4862.68,-2173.94) 4862.68,-2139 ccw(c4862.68,-2173.94) Y1.2@4837.97,-2149.23 ; Y1.2@4837.97,-2121.62 ccw(c4879.94,-2079.65) 4879.94,-2139 cw(c4879.94,-2079.65) Y1.2@4837.97,-2121.62 ; 4872.58,-2137.03 ccw(c4878.69,-2114.22) 4890.5,-2134.67 cw(c4878.69,-2114.22) 4872.58,-2137.03 ; 4909.13,-1801.53 cw(c4926.1,-1801.53) 4914.1,-1789.54 ccw(c4926.1,-1801.53) 4909.13,-1801.53 ; 5231.11,-1925.47 ccw(c5231.11,-1888.65) 5257.15,-1914.69 cw(c5231.11,-1888.65) 5231.11,-1925.47 ; C98.2@5387.55,-2299.15 ccw(c5363.85,-2275.45) 5397.37,-2275.45 cw(c5363.85,-2275.45) C98.2@5387.55,-2299.15 ; 5460.2,-2228 ccw(c5460.2,-2185.2) 5490.46,-2215.46 cw(c5460.2,-2185.2) 5460.2,-2228 ; v2@5566.41,-2300.41 cw(c5579.48,-2313.48) 5579.48,-2295 ccw(c5579.48,-2313.48) v2@5566.41,-2300.41 ; 5718.1,-2409 ccw(c5718.1,-2390.1) 5731.46,-2403.46 cw(c5718.1,-2390.1) 5718.1,-2409 ; 5980.1,-2363 ccw(c5980.1,-2341.1) 5995.59,-2356.59 cw(c5980.1,-2341.1) 5980.1,-2363 ; C118.1@7874.88,-2500.57 ccw(c7874.88,-2465.72) 7899.52,-2490.36 cw(c7874.88,-2465.72) C118.1@7874.88,-2500.57 ; v2@7876.41,-2776.59 ccw(c7908.09,-2744.9) 7908.09,-2789.71 cw(c7908.09,-2744.9) v2@7876.41,-2776.59 ; C118.1@7896.38,-2522.06 cw(c7965.33,-2522.06) 7916.57,-2473.31 ccw(c7965.33,-2522.06) C118.1@7896.38,-2522.06 ; 8026.01,-1858 cw(c8026.01,-1916.73) 8067.53,-1875.2 ccw(c8026.01,-1916.73) 8026.01,-1858 ; 8035.67,-1858 ccw(c8035.67,-1812.93) 8067.53,-1844.8 cw(c8035.67,-1812.93) 8035.67,-1858 ; v2@8121.41,-1463.59 ccw(c8146.56,-1438.44) 8146.56,-1474 cw(c8146.56,-1438.44) v2@8121.41,-1463.59 ; 8229.43,-1444.28 cw(c8259.4,-1474.26) 8259.4,-1431.87 ccw(c8259.4,-1474.26) 8229.43,-1444.28 ; 8414.75,-3066.63 ccw(c8414.75,-3035.75) 8436.59,-3057.59 cw(c8414.75,-3035.75) 8414.75,-3066.63 ; P8.2@8589.51,-1777.27 cw(c8604.65,-1792.42) 8604.65,-1771 ccw(c8604.65,-1792.42) P8.2@8589.51,-1777.27 ; P8.2@8589.51,-1763.58 ccw(c8607.43,-1745.65) 8607.43,-1771 cw(c8607.43,-1745.65) P8.2@8589.51,-1763.58 ; v3@8753.96,1427.96 cw(c8739.38,1413.38) 8760,1413.38 ccw(c8739.38,1413.38) v3@8753.96,1427.96 ; v3@8753.96,1435.03 ccw(c8739.38,1449.61) 8760,1449.61 cw(c8739.38,1449.61) v3@8753.96,1435.03